# Allegro board Coral-Dev-Board-Mini-layout-Allegro.brd (continued)
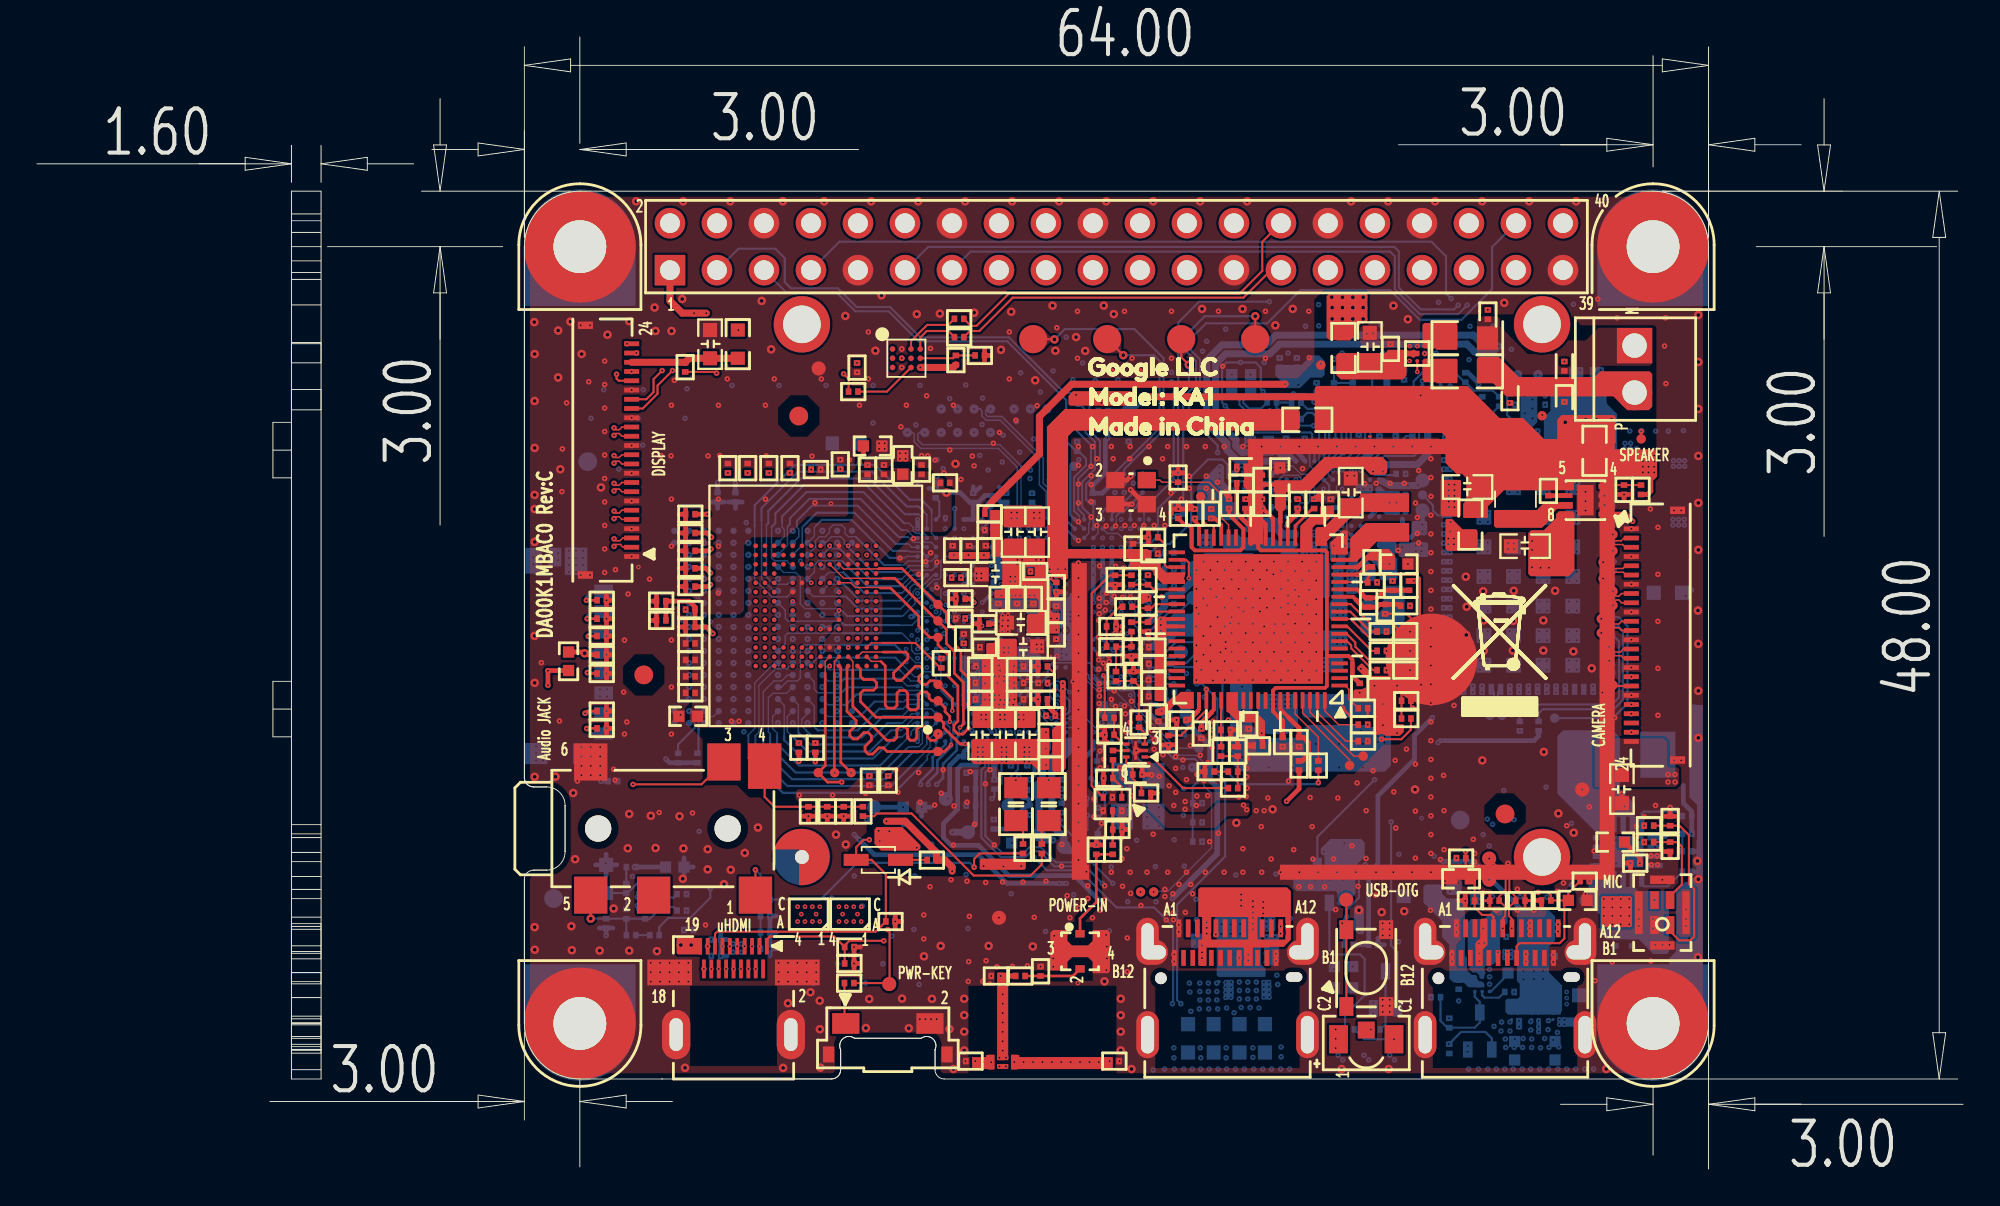
[diagram p0: board, top side]
## Routing (per net, layer and track width the routed paths; a pad name or vN(x,y) marks a point on that pad's centre or on a via; arc(x,y) is an arc through that point) (continued)
  L03_IN1 w0.076: 55.61,26.53 55.13,26.53
  L03_IN1 w0.089: 82.09,13.99 80.47,13.99 79.76,14.7 78.01,14.7 v3(77.88,14.57) 77.75,14.7 72.51,14.7 72.49,14.68 72.36,14.8 v3(72.34,14.8)
  L03_IN1 w0.102: NC2.2 54.59,27.98 v15(54.44,28.12) ; 66.93,30.93 67.29,30.93 ; 53.37,26.48 NC4.2
  L03_IN1 w0.254: v15(52.54,28.63) 52.56,28.62 v15(53.23,28.62)
  L05_POW w0.254: v19(53.32,27.2) 53.29,27.17 v5(53.29,26.84) 53.29,26.28 v19(53.32,26.25)
  L07_IN3 w0.076: v8(56.13,24.68) 55.71,25.1 55.3,25.1 55.05,24.85 55.05,24.22 54.11,23.28 54.11,23.27 52.92,22.08 52.92,21.72 53.14,21.5 53.4,21.5 v8(53.44,21.46) 53.58,21.6 53.58,22.03 53.86,22.31 54.15,22.31 54.48,21.98 54.48,21.86 54.62,21.72 ; v8(56.13,24.68) 55.85,24.4 55.85,24.19 55.47,23.82 55.47,23.54 v8(55.47,23.53) ; v8(56.13,24.68) 56.16,24.68 56.28,24.56 56.28,24.3 56.37,24.21 v12(56.37,23.9) ; 56.85,30.37 56.85,29.73 56.64,29.52 56.64,27.82 56.17,27.35 55.15,27.35 55.04,27.45 54.84,27.45 ; 51.23,24.63 51.96,24.63 52.55,25.22 52.55,26.68 53.13,27.26 54.19,27.26 54.38,27.45 54.71,27.45
  L07_IN3 w0.089: v8(35.83,14.98) 36.12,14.69 43.53,14.69 48.33,19.49 50.06,19.49 v9(50.22,19.65) 50.61,19.65 50.94,19.97 53.8,19.97 54.62,20.8 54.62,21.72 54.98,22.08 54.98,22.74 v8(54.97,22.75) 55.3,23.08 v6(55.43,23.08) 55.45,23.1 55.45,23.51 v8(55.47,23.53) ; v8(35.77,13.97) 35.89,14.09 43.78,14.09 48.58,18.89 50.7,18.89 51.16,19.35 54.02,19.35 55.22,20.55 55.22,21.47 55.62,21.88 55.62,22.06 55.98,22.42 v6(55.98,22.43)
  L08_IN4 w0.076: v12(59.01,27.73) 58.11,27.73 v12(57.57,27.19) 57.57,26.79 57.19,26.4 56.99,26.4 56.85,26.54 56.44,26.54 56.39,26.48 55.61,26.48 54.31,25.18 v12(54.31,24.92)
  L08_IN4 w0.089: v8(58.88,26.97) 58.85,26.94 v8(58.35,26.94) ; v12(60.17,27.23) 60.2,27.21 v8(60.85,27.21) 61.97,28.32 61.97,29.17 62.31,29.51 62.31,30.11 62.63,30.43 62.63,38.82 65.3,41.49 67,41.49 67.35,41.14 67.35,40.89 67.14,40.69 65.34,40.69 63.42,38.77 63.42,30.29 63.45,30.26 63.45,29.81 62.57,28.92 62.57,27.8 61.26,26.49 60.64,26.49
  L08_IN4 w0.102: NC5.2 v8(71.98,39.27)
  L08_IN4 w0.254: v10(57.09,32.12) v7(56.56,32.12) ; v10(57.09,31.12) v10(57.09,30.62) ; v10(51.59,32.12) v15(51.23,32.12)
  BOTTOM w0.076: v10(55.79,25.78) 55.2,26.38 54.98,26.38 54.75,26.14 54.75,25.54 54.93,25.36 55.19,25.36 55.33,25.21 55.33,25 55.02,24.69 v10(55.02,24.63) 55.03,24.62 55.03,24.5 55.19,24.33 55.47,24.33 55.5,24.36 55.84,24.36 v10(55.86,24.38)
  BOTTOM w0.114: v9(69.29,39.21) 69.29,39.89 v9(68.98,40.19) 66.12,40.19 v9(65.83,40.48) 65.45,40.48 64.89,41.04 64.44,41.04 v9(64.22,41.26) 64.05,41.43 64.05,43.39 64.27,43.61 v9(65.05,43.61) 65.86,43.61 66.14,43.33 66.14,42.16 v9(66.26,42.03) 66.39,41.91 v9(67.9,41.91) 68.58,41.91 v9(69.02,41.46) 70.18,40.3 v9(70.18,39.44)
  BOTTOM w0.203: v10(51.09,30.62) v10(51.59,31.12) ; v9(54.11,32.62) 54.11,32.14 v10(54.09,32.12) ; v9(54.11,32.62) v9(53.59,32.62) v9(53.09,32.62) ; v9(54.11,32.62) v9(55.09,32.62) v10(55.09,31.12)
  BOTTOM w0.254: v10(47.59,34.62) v10(47.59,35.12) ; 39.61,12.42 v9(39.61,12.79) ; v9(39.61,12.79) 39.61,13.16 ; v9(39.61,12.79) 39.95,12.79 ; 72.47,12.49 v9(72.47,12.12) 72.82,12.12 ; 52.01,36.86 v9(52.38,36.54) 52.38,36.88 ; U6.N11 U6.R11 v10(55.09,30.12) ; 32.5,14.04 C163.2 32.87,14.38 ; 48.57,37.14 v9(48.57,36.79) 48.2,36.79 ; C239.2 v9(37.75,37.1) ; C267.2 89.87,16.07 89.87,16.07 ; C241.2 v9(36.78,37.1) ; v10(55.59,31.12) v10(55.09,31.12) ; 50.6,36.88 v9(50.6,36.54) 50.97,36.86 ; v9(39.61,11.9) 39.95,11.9 ; v9(39.61,11.9) 39.61,11.53 ; v9(39.61,11.9) 39.61,12.27 ; 35.69,21.97 34.19,21.97 v9(33.99,22.17) ; C521.1 34.97,16.82 ; C521.1 34.97,15.83 ; C521.1 35.47,16.33 ; v9(39.61,13.68) 39.95,13.68 ; v9(39.61,13.68) 39.61,13.31 ; v9(39.61,13.68) 39.61,14.05 ; 30.19,16.44 C160.2 ; C160.2 31.33,16.44 ; C160.2 30.76,17.02 ; C160.2 30.76,15.87 ; v10(57.09,33.62) v10(57.09,33.12) v10(57.09,32.62) v10(57.09,32.12) v10(57.09,31.12) v10(57.09,30.62) ; R67.1 89.85,17.18 ; ESD1.1 31.13,13.03 ; ESD1.1 v9(30.76,12.62) ; ESD1.1 30.39,13.03 ; 47.81,19.07 v9(47.81,19.56) 48.31,19.56 ; 73.8,35.15 73.8,34.68 v9(73.78,34.67) ; v10(57.59,33.62) v10(57.59,33.12) v10(57.59,32.62) v10(57.59,32.12) v10(57.59,31.62) v10(57.59,31.12) v10(57.59,30.62) ; v10(58.09,30.62) v10(58.09,31.62) v10(58.09,32.12) v10(58.09,32.62) v10(58.09,33.12) v10(58.09,33.62) ; U1.G6 v10(70.04,35.77) ; v10(47.59,23.12) v10(47.59,23.62) ; 32.87,14.59 C164.1 32.5,14.93
  vias: v1(27.26,27.38) v1(28.23,24.22) v1(28.37,36.62) v1(28.39,38.93) v1(28.62,41.42) v1(29.21,20.98) v1(29.38,45.62) v1(29.38,32.12) v1(29.42,22.81) v1(29.42,22.3) v1(29.42,21.8) v1(29.42,21.29) v1(29.82,42.57) v1(29.89,45.62) v1(29.89,32.12) v1(29.93,22.81) v1(29.93,22.3) v1(29.93,21.8) v1(29.93,21.29) v1(30.44,22.81) v1(30.44,22.3) v1(30.44,21.8) v1(30.44,21.29) v1(30.68,43.68) v1(30.68,42.41) v1(30.68,41.14) v1(30.68,39.87) v1(30.68,38.6) v1(30.68,37.33) v1(30.68,36.06) v1(30.68,34.79) v1(30.68,33.52) v1(30.68,32.25) v1(31.16,21.61) v1(31.26,32.41) v1(31.24,21.03) v1(31.75,28.6) v1(31.71,25.78) v1(31.75,23.52) v1(31.88,24.17) v1(31.95,31.09) v1(32.14,42.12) v1(32.14,40.62) v1(32.14,39.12) v1(32.14,37.62) v1(32.14,36.12) v1(32.14,34.62) v1(32.14,33.12) v1(33.11,31.89) v1(33.17,11.15) v1(33.17,10.64) v1(33.17,10.13) v1(33.63,19.27) v1(33.68,11.15) v1(33.68,10.64) v1(33.68,10.13) v1(33.73,38.57) v1(34.18,11.15) v1(34.18,10.64) v1(34.18,10.13) v1(34.29,41.3) v1(34.27,38.56) v1(34.29,36.22) v1(34.29,33.68) v1(34.29,28.6) v1(34.29,26.06) v1(34.29,23.52) v1(34.44,42.64) v1(34.78,24.56) v1(34.69,11.15) v1(34.69,10.64) v1(34.69,10.13) v1(35.2,11.15) v1(35.2,10.64) v1(35.2,10.13) v1(35.43,19.25) v1(36.13,13.19) v1(36.27,38.55) v1(36.83,41.3) v1(36.83,36.22) v1(36.83,33.68) v1(36.83,31.14) v1(36.89,38.58) v1(37.31,42.72) v1(39.37,41.3) v1(39.37,36.22) v1(39.42,38.56) v1(39.85,42.72) v1(40.08,11.15) v1(40.08,10.64) v1(40.08,10.13) v1(40.59,11.15) v1(40.59,10.64) v1(40.59,10.13) v1(41.09,11.15) v1(41.09,10.64) v1(41.09,10.13) v1(41.19,20.21) v1(41.6,11.15) v1(41.6,10.64) v1(41.6,10.13) v1(41.89,38.54) v1(42.04,36.02) v1(42.11,11.15) v1(42.11,10.64) v1(42.11,10.13) v1(42.39,42.72) v1(42.35,37.82) v1(43,20.21) v1(43.41,38.35) v1(43.91,38.34) v1(44.32,43.07) v1(44.45,41.3) v1(44.78,20.32) v1(44.88,38.06) v1(44.93,45.26) v1(44.93,42.72) v1(44.99,20.75) v1(45.49,18.28) v1(45.51,39.24) v1(45.51,38.93) v1(45.54,17.72) v1(45.77,38.06) v1(45.81,39.24) v1(45.81,38.93) v1(46,20.75) v1(46.06,18.26) v1(46.43,21.59) v1(46.53,20.37) v1(46.69,40.13) v1(46.64,38.7) v1(46.64,38.39) v1(46.64,33.03) v1(46.74,44.34) v1(46.74,43.34) v1(46.99,41.3) v1(46.94,38.7) v1(46.94,38.39) v1(47.37,34.08) v1(47.54,17.37) v1(47.67,32.16) v1(47.65,21.43) v1(47.72,19.83) v1(47.71,8.1) v1(47.81,38.57) v1(47.93,13.74) v1(47.93,12.44) v1(48.08,41.8) v1(48.03,32.84) v1(48.01,8.1) v1(48.13,38.56) v1(48.29,44.37) v1(48.26,15.26) v1(48.3,33.32) v1(48.32,8.1) v1(48.53,38.33) v1(48.52,19.68) v1(48.64,32.81) v1(48.64,31.44) v1(48.62,8.1) v1(48.87,20.32) v1(48.97,21.59) v1(49.02,37.64) v1(49.33,38.88) v1(49.4,15.64) v1(49.53,41.3) v1(49.56,19.63) v1(49.53,17.52) v1(49.93,37.28) v1(50.17,5.83) v1(50.26,19.83) v1(50.26,15.57) v1(50.35,11.21) v1(50.33,10.14) v1(50.44,21.48) v1(50.39,13.66) v1(50.55,38.55) v1(50.64,38.02) v1(50.67,18.64) v1(51.16,16.38) v1(51.11,10.14) v1(51.2,34.54) v1(51.25,20.82) v1(51.27,15.49) v1(51.29,11.26) v1(51.51,21.59) v1(51.57,10.44) v1(51.68,39.24) v1(51.74,17.52) v1(51.87,10.93) v1(52.02,39.82) v1(51.99,13.58) v1(52.17,29.36) v1(52.17,29.05) v1(52.19,15.52) v1(52.22,16.35) v1(52.47,29.36) v1(52.47,29.05) v1(52.55,45.26) v1(52.55,42.72) v1(52.66,35.49) v1(52.66,35.18) v1(52.71,10.96) v1(52.9,40.48) v1(52.96,35.49) v1(52.96,35.18) v1(52.96,30.57) v1(53.19,16.38) v1(53.29,15.51) v1(53.53,10.98) v1(53.69,32.3) v1(53.88,35.49) v1(53.88,35.18) v1(53.85,30.57) v1(53.89,13.61) v1(54.05,41.27) v1(54.18,35.49) v1(54.18,35.18) v1(54.24,10.94) v1(54.53,23.62) v1(54.53,22.73) v1(54.53,21.84) v1(54.53,15.57) v1(54.97,12.61) v1(54.92,12.02) v1(54.92,11.39) v1(54.92,10.93) v1(55.09,30.42) v1(55.09,28.65) v1(55.11,45.49) v1(55.37,16.38) v1(55.39,17.55) v1(55.67,14.78) v1(55.83,13.58) v1(56,26.36) v1(56.16,41.85) v1(56.23,46.38) v1(56.23,43.84) v1(56.28,39.06) v1(56.28,38.04) v1(56.28,37.03) v1(56.28,36.01) v1(56.28,35) v1(56.28,33.98) v1(56.28,32.76) v1(56.28,31.95) v1(56.28,30.93) v1(56.28,29.92) v1(56.28,28.9) v1(56.28,27.88) v1(56.28,26.87) v1(56.28,25.85) v1(56.28,24.84) v1(56.28,23.82) v1(56.28,22.8) v1(56.28,21.79) v1(56.28,20.77) v1(56.28,19.76) v1(56.28,18.74) v1(56.28,17.72) v1(56.28,16.71) v1(56.31,14.12) v1(56.71,16.07) v1(56.79,15.31) v1(56.79,14.63) v1(56.97,37.99) v1(56.97,37.49) v1(56.97,37) v1(56.97,36.09) v1(56.97,35.25) v1(57.04,39.06) v1(57.04,13.58) v1(57.12,20.01) v1(57.12,19.05) v1(57.27,38.4) v1(57.27,34.79) v1(57.38,29.66) v1(57.38,28.75) v1(57.38,27.83) v1(57.38,27.53) v1(57.38,27.02) v1(57.43,32.61) v1(57.41,30.86) v1(57.41,30.42) v1(57.41,30.02) v1(57.41,26.23) v1(57.41,25.9) v1(57.42,25.57) v1(57.41,25.17) v1(57.4,24.81) v1(57.45,23.9) v1(57.45,23.03) v1(57.45,22.6) v1(57.45,21.69) v1(57.45,13.99) v1(57.53,41.42) v1(57.53,18.69) v1(57.63,27.35) v1(57.65,22.14) v1(57.62,19.37) v1(57.65,17.9) v1(57.78,34.77) v1(57.78,30.63) v1(57.73,30.22) v1(57.7,20.65) v1(57.7,15.31) v1(57.7,14.55) v1(57.78,12.66) v1(57.81,31.14) v1(57.81,27.07) v1(57.83,23.06) v1(57.82,12.02) v1(57.82,11.39) v1(57.79,10.75) v1(57.91,27.76) v1(57.94,27.45) v1(58.06,39.06) v1(58.07,25.39) v1(58.06,16.05) v1(58.16,38.4) v1(58.16,20.57) v1(58.12,20.09) v1(58.21,30.96) v1(58.27,28.98) v1(58.21,25.85) v1(58.29,34.77) v1(58.29,32.58) v1(58.29,25.01) v1(58.52,21.69) v1(58.5,5.83) v1(58.67,30.91) v1(58.62,29.89) v1(58.64,29.33) v1(58.65,29) v1(58.62,19.37) v1(58.59,18.87) v1(58.59,17.88) v1(58.64,16.78) v1(58.67,15.29) v1(58.77,46.38) v1(58.72,32.48) v1(58.7,27.66) v1(58.78,25.04) v1(58.72,21.13) v1(58.8,34.79) v1(58.8,26.94) v1(58.82,24.61) v1(58.85,23.64) v1(58.95,41.45) v1(58.9,17.32) v1(58.92,12.49) v1(58.92,10.66) v1(59.08,39.06) v1(59.05,38.4) v1(59.08,24.15) v1(59.08,16.05) v1(59.18,43.84) v1(59.1,30.91) v1(59.15,25.29) v1(59.15,24.76) v1(59.15,20.19) v1(59.1,14.9) v1(59.3,34.79) v1(59.36,19.43) v1(59.48,23.41) v1(59.41,22.63) v1(59.58,30.91) v1(59.64,29.94) v1(59.64,29.08) v1(59.64,28.7) v1(59.66,28.11) v1(59.61,27.45) v1(59.69,26.82) v1(59.61,21.86) v1(59.66,14.24) v1(59.81,34.79) v1(59.94,38.4) v1(60.04,32.13) v1(60.07,30.93) v1(60.07,29.05) v1(60.07,28.7) v1(60.07,26.44) v1(60.08,25.55) v1(60.04,24.15) v1(60.04,21.86) v1(59.99,16.05) v1(60.09,39.06) v1(60.09,28.21) v1(60.09,27.3) v1(60.24,23.72) v1(60.24,21.31) v1(60.37,34.79) v1(60.37,23.21) v1(60.37,22.7) v1(60.32,18.11) v1(60.57,33.27) v1(60.6,24.2) v1(60.65,21.23) v1(60.78,30.93) v1(60.83,38.4) v1(60.85,22.4) v1(60.96,34.79) v1(60.96,15.12) v1(60.96,14.74) v1(61.03,13.85) v1(61.03,13.47) v1(61.11,39.06) v1(61.18,20.72) v1(61.11,16.05) v1(61.29,37.56) v1(61.29,36.55) v1(61.29,35.99) v1(61.29,35.48) v1(61.31,46.38) v1(61.31,43.84) v1(61.39,14.88) v1(61.44,19.65) v1(61.41,13.85) v1(61.41,13.47) v1(61.45,11.6) v1(61.45,11.22) v1(61.54,22.3) v1(61.54,21.66) v1(61.54,20.37) v1(61.72,15.39) v1(61.7,13.2) v1(61.7,12.82) v1(61.84,36.22) v1(61.93,22.12) v1(62.05,19.87) v1(62.05,19.45) v1(62.06,13.87) v1(62.12,39.06) v1(62.12,21.05) v1(62.12,16.05) v1(62.28,37.46) v1(62.28,36.8) v1(62.33,22.9) v1(62.35,15.39) v1(62.45,14.88) v1(62.66,32.38) v1(62.66,31.36) v1(62.66,30.35) v1(62.66,29.33) v1(62.66,28.32) v1(62.66,27.45) v1(62.66,26.44) v1(62.68,20.16) v1(62.66,19.65) v1(62.69,21.33) v1(62.79,30.02) v1(62.87,22.37) v1(62.92,26.99) v1(62.92,23.29) v1(63.04,32.84) v1(63.04,31.87) v1(63.04,30.86) v1(63.04,28.82) v1(63.04,27.81) v1(63.07,21) v1(63.14,39.06) v1(63.14,16.05) v1(63.19,37.46) v1(63.19,36.8) v1(63.25,30.47) v1(63.27,21.97) v1(63.27,20.19) v1(63.37,17.7) v1(63.46,35.68) v1(63.42,32.38) v1(63.42,31.36) v1(63.42,29.33) v1(63.42,28.32) v1(63.42,27.45) v1(63.57,36.14) v1(63.55,26.41) v1(63.55,24.2) v1(63.52,23.74) v1(63.55,23.29) v1(63.5,22.8) v1(63.73,30.93) v1(63.85,46.38) v1(63.8,37.13) v1(63.8,32.84) v1(63.8,31.87) v1(63.8,29.84) v1(63.8,26.94) v1(63.85,18.16) v1(63.95,28.98) v1(63.96,27.93) v1(64.08,43.4) v1(64.03,21.05) v1(64.16,39.06) v1(64.18,32.38) v1(64.14,31.39) v1(64.18,30.35) v1(64.18,29.33) v1(64.18,27.45) v1(64.18,26.44) v1(64.16,16.05) v1(64.23,36.6) v1(64.24,28.49) v1(64.24,28.14) v1(64.38,24.28) v1(64.49,29.51) v1(64.44,23.29) v1(64.56,32.84) v1(64.56,31.87) v1(64.56,30.86) v1(64.56,29.84) v1(64.56,28.98) v1(64.56,27.96) v1(64.56,26.94) v1(64.51,22.82) v1(64.94,32.38) v1(64.94,31.36) v1(64.94,30.35) v1(64.94,29.48) v1(64.94,28.47) v1(64.94,27.45) v1(64.94,26.44) v1(64.95,20.11) v1(64.99,23.57) v1(65.17,39.06) v1(65.17,17.32) v1(65.17,16.05) v1(65.2,30.14) v1(65.34,36.22) v1(65.32,32.84) v1(65.32,31.87) v1(65.32,30.86) v1(65.32,28.98) v1(65.32,27.96) v1(65.32,26.94) v1(65.38,21.66) v1(65.38,21.2) v1(65.35,20.14) v1(65.4,22.19) v1(65.4,20.59) v1(65.49,23.79) v1(65.71,32.38) v1(65.71,31.36) v1(65.71,30.35) v1(65.71,29.48) v1(65.71,28.47) v1(65.71,27.45) v1(65.71,26.44) v1(65.89,19.37) v1(66.09,32.84) v1(66.09,31.87) v1(66.09,30.86) v1(66.09,30.14) v1(66.09,28.98) v1(66.09,27.96) v1(66.09,26.94) v1(66.19,39.06) v1(66.16,18.51) v1(66.19,16.05) v1(66.23,36.22) v1(66.32,29.33) v1(66.32,19.37) v1(66.39,46.38) v1(66.39,43.84) v1(66.47,32.38) v1(66.47,31.36) v1(66.47,30.35) v1(66.47,28.47) v1(66.47,27.45) v1(66.47,26.44) v1(66.52,20.06) v1(66.7,16.76) v1(66.85,32.84) v1(66.82,32.15) v1(66.85,30.86) v1(66.85,28.98) v1(66.85,27.96) v1(66.85,26.94) v1(66.91,29.46) v1(66.96,11.64) v1(66.96,11.26) v1(67.2,39.06) v1(67.19,37.91) v1(67.23,32.33) v1(67.23,31.36) v1(67.23,30.35) v1(67.23,28.47) v1(67.23,27.45) v1(67.23,26.44) v1(67.2,16.05) v1(67.21,13.11) v1(67.21,12.73) v1(67.36,29.46) v1(67.32,22.83) v1(67.61,32.84) v1(67.61,31.82) v1(67.61,31.01) v1(67.61,30.58) v1(67.61,29.99) v1(67.61,28.98) v1(67.61,27.96) v1(67.61,26.94) v1(67.64,20.98) v1(67.92,17.27) v1(67.99,32.33) v1(67.99,31.31) v1(67.99,30.5) v1(67.99,29.48) v1(67.99,28.47) v1(67.99,27.45) v1(67.99,26.44) v1(68.13,36.22) v1(68.22,39.06) v1(68.19,30.96) v1(68.21,22.83) v1(68.22,16.05) v1(68.19,15.26) v1(68.37,32.84) v1(68.37,31.82) v1(68.37,29.99) v1(68.37,28.98) v1(68.37,27.96) v1(68.37,26.94) v1(68.4,37.87) v1(68.65,30.5) v1(68.73,46.37) v1(68.76,43.86) v1(68.75,32.33) v1(68.75,31.31) v1(68.75,29.48) v1(68.75,28.47) v1(68.75,27.45) v1(68.75,26.44) v1(68.8,20.09) v1(68.83,15.26) v1(68.91,18.51) v1(68.96,16.76) v1(69.13,32.84) v1(69.13,31.82) v1(69.13,30.81) v1(69.13,29.99) v1(69.13,28.98) v1(69.13,27.96) v1(69.13,26.94) v1(69.24,39.06) v1(69.24,16.05) v1(69.59,15.26) v1(69.91,36.22) v1(70.07,33.7) v1(70.07,16.76) v1(70.19,14.03) v1(70.25,39.06) v1(70.25,16.05) v1(70.3,20.06) v1(70.66,34.29) v1(70.66,33.7) v1(70.81,37.49) v1(71.07,17.47) v1(71.27,39.06) v1(71.19,37.49) v1(71.27,16.05) v1(71.34,20.87) v1(71.4,15.29) v1(71.55,27.05) v1(71.75,37.05) v1(71.88,45.16) v1(71.83,19.37) v1(71.83,16.78) v1(72.21,45.18) v1(72.28,39.06) v1(72.28,26.13) v1(72.21,21.53) v1(72.37,37.07) v1(72.37,16.05) v1(72.42,31.72) v1(72.74,25.14) v1(72.74,24) v1(72.73,13.29) v1(72.73,12.96) v1(72.73,12.63) v1(72.73,9.15) v1(72.73,8.82) v1(72.73,8.49) v1(73.15,44.6) v1(73.13,37.07) v1(73.11,13.29) v1(73.11,12.96) v1(73.11,12.63) v1(73.11,9.15) v1(73.11,8.82) v1(73.11,8.49) v1(73.26,31.8) v1(73.3,39.06) v1(73.33,20.39) v1(73.3,16.05) v1(73.4,22.09) v1(73.43,18.43) v1(73.57,33.44) v1(73.5,26.13) v1(73.5,23.57) v1(73.89,37.07) v1(74.01,22.7) v1(74.09,32.71) v1(74.32,39.06) v1(74.32,16.05) v1(74.5,36.01) v1(74.49,21.89) v1(74.49,19.35) v1(74.49,16.81) v1(74.67,37.76) v1(74.6,35.22) v1(74.6,34.36) v1(74.67,33.85) v1(74.8,26.18) v1(75,44.09) v1(75.33,39.06) v1(75.33,38.4) v1(75.33,37.38) v1(75.33,36.37) v1(75.33,35.35) v1(75.33,34.34) v1(75.33,33.32) v1(75.33,32.3) v1(75.33,31.29) v1(75.33,30.27) v1(75.33,29.26) v1(75.33,28.24) v1(75.33,27.22) v1(75.33,26.21) v1(75.33,25.19) v1(75.33,24.18) v1(75.33,23.16) v1(75.33,22.14) v1(75.33,21.13) v1(75.33,20.11) v1(75.33,19.1) v1(75.33,18.08) v1(75.33,17.06) v1(75.33,16.05) v1(75.31,13.99) v1(75.85,16.73) v1(76.02,21.28) v1(76.04,19.38) v1(76.04,17.27) v1(76.09,15.57) v1(76.3,37) v1(76.3,36.7) v1(76.3,36.39) v1(76.3,36.09) v1(76.3,35.78) v1(76.46,11.6) v1(76.46,11.22) v1(76.58,25.06) v1(76.6,37) v1(76.6,36.7) v1(76.6,36.39) v1(76.6,36.09) v1(76.6,35.78) v1(76.72,13.18) v1(76.72,12.8) v1(77.19,14.5) v1(77.62,17.82) v1(77.7,17.06) v1(77.7,16.61) v1(78.16,14.93) v1(78.86,13.99) v1(79.51,33.83) v1(79.51,33.52) v1(79.5,16.53) v1(79.81,33.83) v1(79.81,33.52) v1(80.01,15.13) v1(80.01,13.99) v1(80.89,13.99) v1(81.95,11.58) v1(81.95,11.2) v1(82.16,15.01) v1(82.2,13.23) v1(82.2,12.85) v1(82.55,43.66) v1(82.55,41.47) v1(82.5,15.46) v1(82.67,18.56) v1(83.51,20.52) v1(83.69,36.62) v1(83.69,36.11) v1(83.69,35.6) v1(83.69,14.88) v1(83.89,19.58) v1(84.15,17.19) v1(84.2,15.99) v1(84.2,10.18) v1(84.35,47.04) v1(84.6,25.75) v1(84.72,36.4) v1(84.72,35.9) v1(85.14,11.2) v1(85.26,24.4) v1(85.39,46.02) v1(85.66,20.29) v1(85.8,19.6) v1(86.16,34.61) v1(86.16,33.11) v1(86.16,31.61) v1(86.16,30.11) v1(86.16,28.61) v1(86.16,27.11) v1(86.16,25.61) v1(86.44,18.54) v1(86.41,18.03) v1(86.57,14.03) v1(86.57,13.52) v1(86.57,13.14) v1(86.86,19.05) v1(87.19,35.69) v1(87.23,16.94) v1(87.25,16.45) v1(87.22,11.25) v1(87.33,13.52) v1(87.33,13.01) v1(87.47,19.65) v1(87.46,12.12) v1(87.56,16.94) v1(87.58,16.45) v1(87.6,34.69) v1(87.6,32.15) v1(87.6,29.61) v1(87.6,27.07) v1(87.6,24.53) v1(87.84,15.64) v1(87.84,12.12) v1(87.96,44.5) v1(88.01,46.02) v1(88.03,42.46) v1(88.22,12.12) v1(88.48,35.6) v1(88.48,22.09) v1(88.86,35.6) v1(88.86,22.09) v1(89.11,14.03) v1(89.11,13.52) v1(89.11,13.14) v2(27.26,27.38) v2(28.37,36.62) v2(28.39,38.93) v2(28.62,41.42) v2(29.21,20.98) v2(29.38,34.36) v2(29.82,42.57) v2(31.16,21.61) v2(31.26,32.41) v2(31.24,21.03) v2(31.75,28.6) v2(31.75,23.52) v2(31.95,31.09) v2(32.45,14.71) v2(32.44,14.24) v2(33.33,26.25) v2(33.33,25.87) v2(33.63,19.27) v2(33.73,38.57) v2(33.85,27.2) v2(34.27,38.56) v2(34.29,36.22) v2(34.29,33.68) v2(34.29,28.6) v2(34.29,26.06) v2(34.29,23.52) v2(34.44,42.64) v2(35.49,30.8) v2(35.43,19.25) v2(36.27,38.55) v2(36.83,36.22) v2(36.83,33.68) v2(36.83,31.14) v2(36.88,26.51) v2(36.89,38.58) v2(37.26,26.51) v2(37.31,42.72) v2(37.65,26.51) v2(38.15,23.21) v2(38.53,25.24) v2(38.53,23.08) v2(38.92,37.05) v2(38.92,25.24) v2(39.04,37.43) v2(39.04,22.06) v2(39.37,36.22) v2(39.3,25.24) v2(39.42,38.56) v2(39.42,22.06) v2(39.85,42.72) v2(40.19,37.3) v2(40.19,26) v2(40.57,26) v2(40.95,26) v2(41.07,37.3) v2(41.19,20.21) v2(41.89,38.54) v2(41.84,26) v2(42.04,36.02) v2(42.39,42.72) v2(42.69,10.05) v2(42.73,26) v2(43,20.21) v2(43.91,38.34) v2(44.78,20.32) v2(44.93,45.26) v2(44.93,42.72) v2(45.21,12.19) v2(45.49,18.28) v2(45.54,17.72) v2(45.52,10.08) v2(45.74,23.06) v2(46.06,18.26) v2(46.43,21.59) v2(46.53,20.37) v2(46.49,11.43) v2(46.64,33.03) v2(46.74,44.34) v2(46.74,43.34) v2(46.74,22.19) v2(46.92,13.91) v2(47.23,12.32) v2(47.37,34.08) v2(47.51,13.25) v2(47.67,32.16) v2(47.65,21.43) v2(47.72,19.83) v2(47.89,42.77) v2(47.93,13.74) v2(47.93,12.44) v2(48.03,32.84) v2(48.13,38.56) v2(48.1,14.47) v2(48.29,44.37) v2(48.26,15.26) v2(48.3,33.32) v2(48.53,38.33) v2(48.52,19.68) v2(48.64,32.81) v2(48.64,31.44) v2(48.76,34.87) v2(48.76,23.01) v2(48.87,20.32) v2(48.85,15.87) v2(48.94,34.26) v2(48.97,21.59) v2(49.02,37.64) v2(48.99,35.66) v2(49.09,33.6) v2(49.4,15.64) v2(49.55,46.43) v2(49.56,19.63) v2(49.65,35.28) v2(49.99,42.74) v2(49.93,37.28) v2(49.93,36.01) v2(49.94,33.4) v2(49.96,16.38) v2(50.09,25.49) v2(50.17,5.83) v2(50.21,34.74) v2(50.26,19.83) v2(50.26,15.57) v2(50.35,11.21) v2(50.33,10.14) v2(50.45,36.34) v2(50.44,21.48) v2(50.39,13.66) v2(50.55,38.55) v2(50.64,38.02) v2(50.64,33.4) v2(51.16,16.38) v2(51.11,10.14) v2(51.23,35.89) v2(51.23,34.87) v2(51.25,20.82) v2(51.27,15.49) v2(51.35,45.16) v2(51.29,11.26) v2(51.41,42.11) v2(51.46,33.42) v2(51.51,36.25) v2(51.51,21.59) v2(51.57,10.44) v2(51.68,39.24) v2(51.66,23.52) v2(51.87,10.93) v2(52.07,40.46) v2(52.02,39.82) v2(52.09,34.18) v2(52.19,15.52) v2(52.28,36.25) v2(52.22,16.35) v2(52.55,45.26) v2(52.55,42.72) v2(52.5,39.9) v2(52.57,34.18) v2(52.57,33.4) v2(52.62,35.89) v2(52.71,10.96) v2(52.83,34.87) v2(52.9,40.48) v2(53.02,36.25) v2(53.06,22.3) v2(53.19,16.38) v2(53.29,15.51) v2(53.44,40.81) v2(53.53,10.98) v2(53.64,33.4) v2(53.77,36.25) v2(53.97,16.91) v2(53.89,13.61) v2(54.05,41.27) v2(54.17,35.89) v2(54.18,27.5) v2(54.1,23.16) v2(54.2,34.87) v2(54.24,10.94) v2(54.48,17.42) v2(54.53,23.62) v2(54.53,15.57) v2(54.66,37.64) v2(54.68,36.14) v2(54.61,33.4) v2(54.76,24.84) v2(54.83,33.09) v2(54.99,17.93) v2(54.97,12.61) v2(54.92,12.02) v2(54.92,11.39) v2(54.92,10.93) v2(55.11,45.49) v2(55.16,32.94) v2(55.15,24.12) v2(55.24,36.9) v2(55.27,34.87) v2(55.29,34.21) v2(55.37,16.38) v2(55.39,17.55) v2(55.55,37.94) v2(55.57,35.89) v2(55.55,32.94) v2(55.49,18.44) v2(55.62,24.68) v2(55.67,14.78) v2(55.83,33.4) v2(55.83,13.58) v2(55.9,34.87) v2(55.93,34.21) v2(55.9,32.94) v2(55.98,24.91) v2(55.98,16.07) v2(56.08,41.27) v2(56,26.36) v2(56,18.94) v2(56.03,17.37) v2(56.16,41.85) v2(56.23,46.38) v2(56.23,43.84) v2(56.31,14.12) v2(56.46,32.46) v2(56.51,19.45) v2(56.66,32.18) v2(56.76,41.42) v2(56.79,15.31) v2(56.79,14.63) v2(56.97,37.99) v2(56.97,37.49) v2(56.97,37) v2(56.97,36.09) v2(56.89,32.46) v2(57.04,13.58) v2(57.12,20.01) v2(57.12,19.05) v2(57.32,42.51) v2(57.38,29.66) v2(57.38,28.75) v2(57.41,30.86) v2(57.41,30.42) v2(57.41,30.02) v2(57.45,23.03) v2(57.45,13.99) v2(57.53,41.42) v2(57.63,27.35) v2(57.6,18.33) v2(57.78,33.29) v2(57.78,20.72) v2(57.7,15.31) v2(57.7,14.55) v2(57.78,12.66) v2(57.81,32.48) v2(57.84,28.77) v2(57.82,12.02) v2(57.82,11.39) v2(57.79,10.75) v2(58.03,33.93) v2(58.31,41.3) v2(58.45,26.41) v2(58.5,5.83) v2(58.67,15.29) v2(58.77,46.38) v2(58.72,32.48) v2(58.72,21.13) v2(58.95,41.45) v2(58.93,28.77) v2(58.9,17.32) v2(58.92,12.49) v2(58.92,10.66) v2(59.18,43.84) v2(59.15,20.19) v2(59.1,14.9) v2(59.25,33.93) v2(59.23,33.27) v2(59.31,28.77) v2(59.36,19.43) v2(59.56,31.41) v2(59.61,32.46) v2(59.66,14.24) v2(60.04,32.13) v2(60.07,26.44) v2(60.04,21.86) v2(60.17,20.09) v2(60.24,21.31) v2(60.37,42.51) v2(60.37,23.21) v2(60.37,22.7) v2(60.32,22.09) v2(60.32,18.11) v2(60.42,32.46) v2(60.66,26.41) v2(60.65,21.23) v2(60.75,23.87) v2(60.88,33.27) v2(60.83,30.32) v2(60.85,22.4) v2(60.94,5.4) v2(61.08,32.46) v2(61.04,28.77) v2(61.18,20.72) v2(61.29,37.94) v2(61.29,37.56) v2(61.29,36.55) v2(61.29,35.99) v2(61.29,35.48) v2(61.19,26.11) v2(61.31,46.38) v2(61.31,43.84) v2(61.31,43.2) v2(61.39,34.95) v2(61.39,31.67) v2(61.34,30.83) v2(61.39,29.18) v2(61.39,14.88) v2(61.46,33.93) v2(61.47,25.8) v2(61.44,19.65) v2(61.44,6.55) v2(61.44,6.01) v2(61.47,5.4) v2(61.49,41.3) v2(61.5,28.8) v2(61.54,22.3) v2(61.54,21.66) v2(61.54,20.37) v2(61.69,25.06) v2(61.72,15.39) v2(61.84,36.22) v2(61.84,35.12) v2(61.82,32.46) v2(61.87,30.04) v2(61.88,21.46) v2(61.93,22.12) v2(61.98,5.4) v2(62.05,33.27) v2(62.05,29.23) v2(62.05,23.41) v2(62.05,19.45) v2(62.06,13.87) v2(62.12,21.05) v2(62.28,37.46) v2(62.28,36.8) v2(62.21,21.81) v2(62.33,22.9) v2(62.31,21.43) v2(62.35,15.39) v2(62.45,14.88) v2(62.43,5.4) v2(62.66,32.38) v2(62.66,31.36) v2(62.66,30.35) v2(62.66,27.45) v2(62.66,26.44) v2(62.68,20.16) v2(62.66,19.65) v2(62.69,21.33) v2(62.79,30.02) v2(62.87,22.37) v2(62.87,6.55) v2(62.92,26.99) v2(62.89,6.01) v2(62.89,5.4) v2(63.04,31.87) v2(63.04,30.86) v2(63.07,21) v2(63.19,37.46) v2(63.19,36.8) v2(63.25,30.47) v2(63.27,21.97) v2(63.27,20.19) v2(63.22,19.68) v2(63.22,16.84) v2(63.37,41.24) v2(63.37,33.93) v2(63.37,17.7) v2(63.37,15.01) v2(63.35,5.4) v2(63.45,42.51) v2(63.42,32.38) v2(63.42,31.36) v2(63.42,27.45) v2(63.57,36.14) v2(63.55,26.41) v2(63.75,36.55) v2(63.73,30.93) v2(63.85,46.38) v2(63.8,37.13) v2(63.8,31.87) v2(63.8,26.94) v2(63.85,18.16) v2(63.85,16.58) v2(63.85,15.54) v2(63.83,5.4) v2(63.95,28.98) v2(63.96,27.93) v2(64.08,43.4) v2(64.03,38.04) v2(64.05,34.95) v2(64.18,32.38) v2(64.14,31.39) v2(64.18,27.45) v2(64.18,26.44) v2(64.11,20.14) v2(64.23,36.6) v2(64.24,28.49) v2(64.24,28.14) v2(64.26,6.55) v2(64.26,6.01) v2(64.29,5.4) v2(64.49,29.51) v2(64.56,31.87) v2(64.56,28.98) v2(64.56,27.96) v2(64.56,26.94) v2(64.69,33.27) v2(64.77,5.4) v2(64.94,32.38) v2(64.94,29.48) v2(64.94,28.47) v2(64.94,27.45) v2(64.94,26.44) v2(64.95,20.11) v2(64.99,23.57) v2(65.17,35.12) v2(65.17,17.32) v2(65.2,30.14) v2(65.25,5.4) v2(65.32,31.87) v2(65.32,28.98) 